# KiCad board panel-16.kicad_pcb (continued)
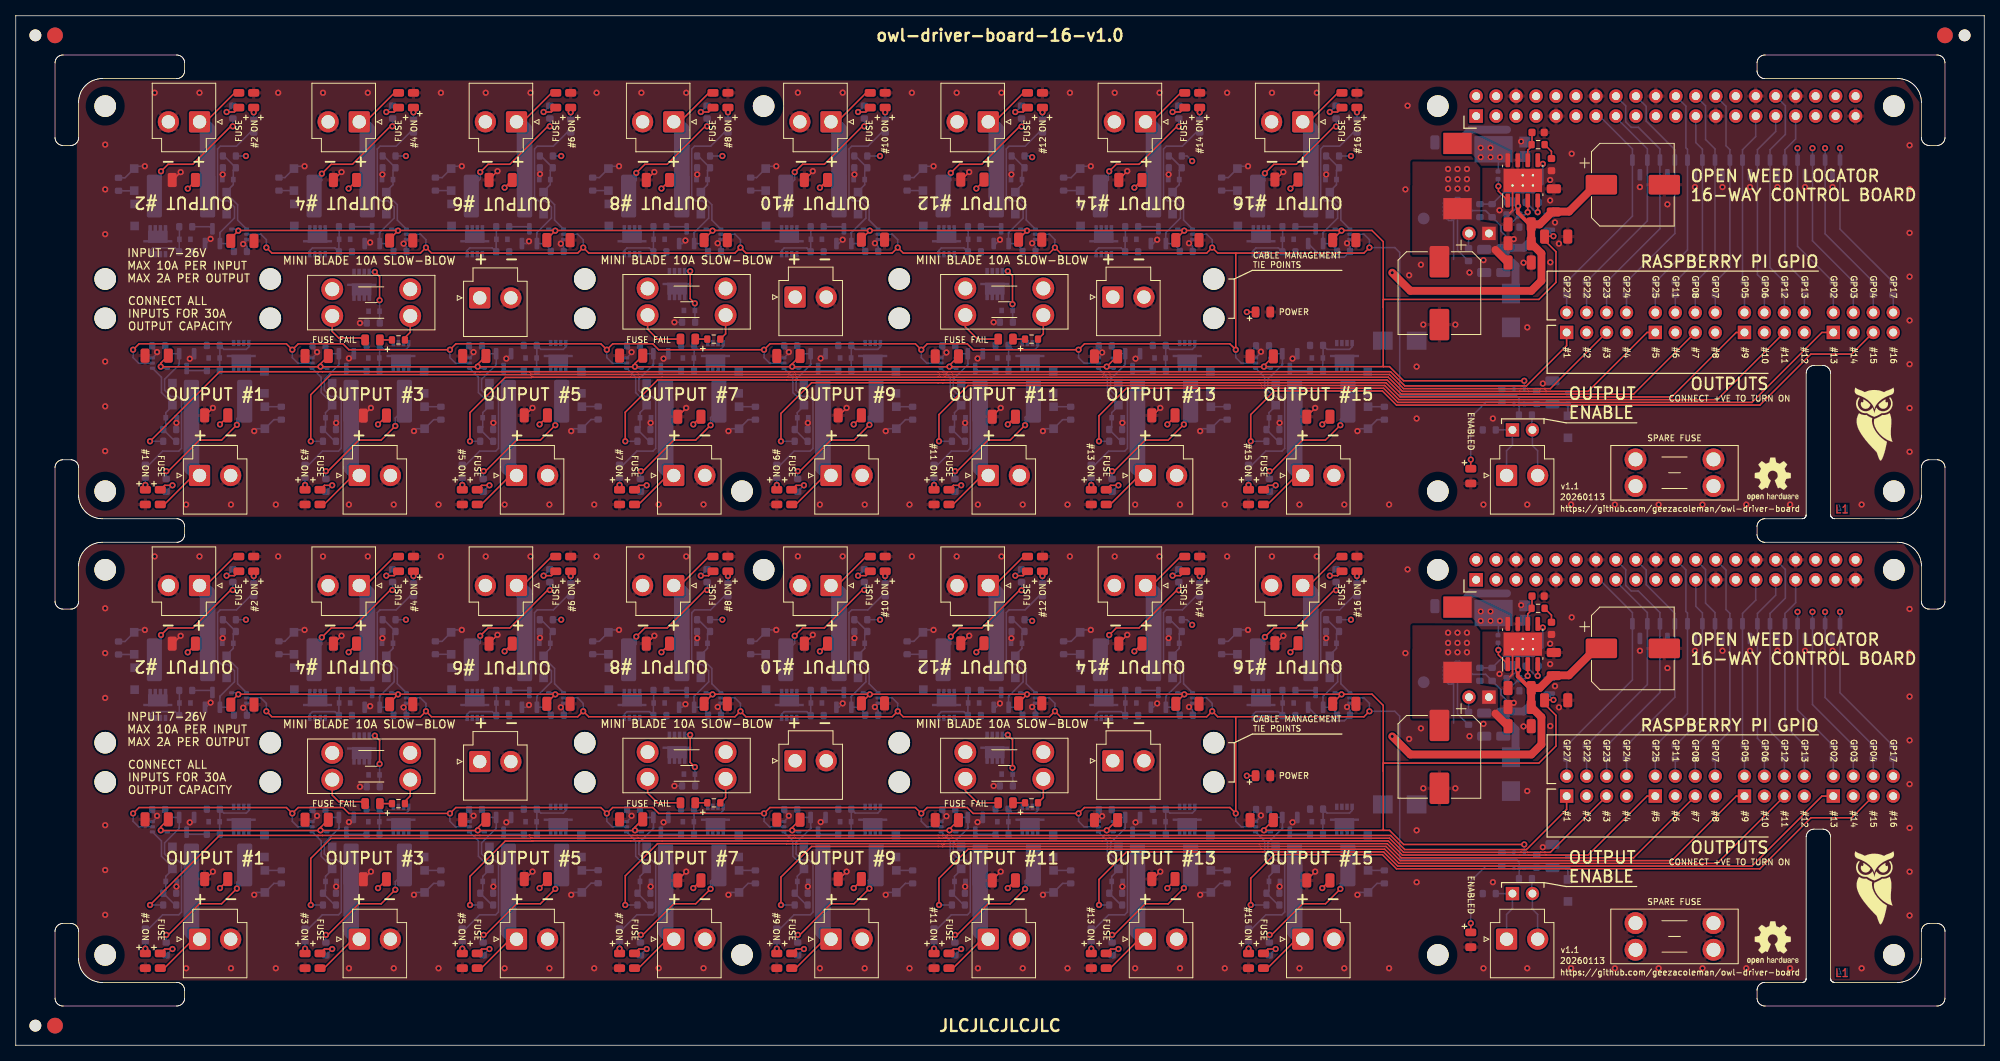
[diagram p0: board, top side]
## Nets (continued)
Board_0-Net-(D12-A): D12#2.2 D45#2.1 R9.1 R53#2.2 U5.1
Board_0-Net-(D13-A): D13#2.2 D46.1 R10#2.1 R54#2.2 U6.1
Board_0-Net-(D14-A): D14.2 D47.1 R13.1 R56.2 U7.1
Board_0-Net-(D19-A): D19.2 R17.1
Board_0-Net-(D20-A): D20#2.2 D48#2.1 R18#2.1 R57#2.2 U10#2.1
Board_0-Net-(D24-A): D24#2.2 R22.1
Board_0-Net-(D25-A): D25#2.2 D49.1 R50.1 R62.2 U11.1
Board_0-Net-(D29-A): D29.2 R58#2.1
Board_0-Net-(D30-A): D30.2 R59#2.1
Board_0-Net-(D31-A): D31.2 R60#2.1
Board_0-Net-(D32-A): D32#2.2 R24.1
Board_0-Net-(D32-K): D32#2.1 F18.2 Q34.2
Board_0-Net-(D33-A): D33#2.2 Q34.1 R25.2
Board_0-Net-(D37-A): D37.2 R61.1
Board_0-Net-(D38-A): D38.2 R23.1
Board_0-Net-(D41-A): D41#2.2 R55#2.1
Board_0-Net-(D42-A): D42#2.2 R63.1
Board_0-Net-(D43-A): D43#2.2 R65.1
Board_0-Net-(D44-A): D44#2.2 D50.1 R66.1 R67.2 U12.1
Board_0-Net-(D51-A): D51.2 R68#2.1
Board_0-Net-(D55-A): D55#2.2 R72#2.1
Board_0-Net-(D56-A): D56#2.2 D57#2.1 R73.1 R74.2 U13.1
Board_0-Net-(D58-A): D58#2.2 R75#2.1
Board_0-Net-(D62-A): D62#2.2 R79#2.1
Board_0-Net-(D63-A): D63#2.2 D64#2.1 R80#2.1 R81#2.2 U14.1
Board_0-Net-(D65-A): D65.2 R82.1
Board_0-Net-(D69-A): D69.2 R86#2.1
Board_0-Net-(D70-A): D70#2.2 D71#2.1 R87#2.1 R88.2 U15.1
Board_0-Net-(D72-A): D72#2.2 R89#2.1
Board_0-Net-(D76-A): D76#2.2 R93#2.1
Board_0-Net-(D77-A): D77.2 D78.1 R94#2.1 R95#2.2 U16.1
Board_0-Net-(D79-A): D79.2 R96.1
Board_0-Net-(D83-A): D83#2.2 R100#2.1
Board_0-Net-(D84-A): D84#2.2 D85.1 R101.1 R102.2 U17.1
Board_0-Net-(D86-A): D86#2.2 R103.1
Board_0-Net-(D90-A): D90#2.2 R107.1
Board_0-Net-(D91-A): D91#2.2 D92.1 R108.1 R109#2.2 U18#2.1
Board_0-Net-(D93-A): D93#2.2 R110.1
Board_0-Net-(D97-A): D97#2.2 R114#2.1
Board_0-Net-(D98-A): D98.2 D99#2.1 R115#2.1 R116.2 U19.1
Board_0-Net-(D100-A): D100#2.2 R117.1
Board_0-Net-(D104-A): D104#2.2 R121#2.1
Board_0-Net-(D105-A): D105#2.2 D106#2.1 R122.1 R123#2.2 U20.1
Board_0-Net-(D107-A): D107#2.2 R124.1
Board_0-Net-(D111-A): D111#2.2 R128#2.1
Board_0-Net-(D112-A): D112#2.2 D113#2.1 R129#2.1 R130#2.2 U21#2.1
Board_0-Net-(D114-A): D114#2.2 R131#2.1
Board_0-Net-(D118-A): D118.2 R135.1
Board_0-Net-(D119-A): D119#2.2 D120.1 R136#2.1 R137#2.2 U22.1
Board_0-Net-(D121-A): D121.2 R138.1
Board_0-Net-(D125-A): D125.2 R142.1
Board_0-Net-(D132-A): D132#2.2 R26.1
Board_0-Net-(D132-K): D132#2.1 F19.2 Q35#2.2
Board_0-Net-(D133-A): D133.2 Q35#2.1 R27.2
Board_0-Net-(J2-CE0): D127.1 J2.24 R33.1
Board_0-Net-(J2-CE1): D127.2 J2.26 R32.1
Board_0-Net-(J2-GP5): D131.1 J2.29 R146.1
Board_0-Net-(J2-GP6): D131.2 J2.31 R145#2.1
Board_0-Net-(J2-GP12): D130#2.1 J2.32 R144#2.1
Board_0-Net-(J2-GP13): D130#2.2 J2.33 R143.1
Board_0-Net-(J2-GP22): D34#2.2 J2.15 R29.1
Board_0-Net-(J2-GP23): D35#2.1 J2.16 R30.1
Board_0-Net-(J2-GP24): D35#2.2 J2.18 R31.1
Board_0-Net-(J2-GP25): D126#2.1 J2.22 R39#2.1
Board_0-Net-(J2-GP27): D34#2.1 J2.13 R38#2.1
Board_0-Net-(J2-SCLK): D126#2.2 J2.23 R34#2.1
Board_0-Net-(J3-Pin_1): F1#2.1 J3#2.1 R1#2.2
Board_0-Net-(J10-Pin_1): J10#2.1 J11.1 R48#2.2
Board_0-Net-(J10-Pin_2): J10#2.2 J11.2 R49#2.1
Board_0-Net-(J24-Pin_1): F18.1 J24#2.1 R24.2
Board_0-Net-(J26-Pin_1): F19.1 J26#2.1 R26.2
Board_0-Net-(Q4-D): Q4#2.3 R6#2.1
Board_0-Net-(Q4-G): Q4#2.1 R11.2 R58#2.2 U5.4
Board_0-Net-(Q5-D): Q5#2.3 R7#2.1
Board_0-Net-(Q5-G): Q5#2.1 R12#2.2 R59#2.2 U6.4
Board_0-Net-(Q6-D): Q6.3 R16#2.1
Board_0-Net-(Q6-G): Q6.1 R14.2 R60#2.2 U7.4
Board_0-Net-(Q8-D): Q8#2.3 R21.1
Board_0-Net-(Q8-G): Q8#2.1 R19#2.2 R61.2 U10#2.4
Board_0-Net-(Q10-D): Q10#2.3 R64#2.1
Board_0-Net-(Q10-G): Q10#2.1 R51#2.2 R63.2 U11.4
Board_0-Net-(Q12-D): Q12.3 R71#2.1
Board_0-Net-(Q12-G): Q12.1 R68#2.2 R69.2 U12.4
Board_0-Net-(Q14-D): Q14#2.3 R78#2.1
Board_0-Net-(Q14-G): Q14#2.1 R75#2.2 R76.2 U13.4
Board_0-Net-(Q16-D): Q16#2.3 R85.1
Board_0-Net-(Q16-G): Q16#2.1 R82.2 R83#2.2 U14.4
Board_0-Net-(Q18-D): Q18.3 R92.1
Board_0-Net-(Q18-G): Q18.1 R89#2.2 R90#2.2 U15.4
Board_0-Net-(Q20-D): Q20.3 R99#2.1
Board_0-Net-(Q20-G): Q20.1 R96.2 R97#2.2 U16.4
Board_0-Net-(Q22-D): Q22#2.3 R106#2.1
Board_0-Net-(Q22-G): Q22#2.1 R103.2 R104#2.2 U17.4
Board_0-Net-(Q24-D): Q24.3 R113#2.1
Board_0-Net-(Q24-G): Q24.1 R110.2 R111.2 U18#2.4
Board_0-Net-(Q26-D): Q26#2.3 R120#2.1
Board_0-Net-(Q26-G): Q26#2.1 R117.2 R118#2.2 U19.4
Board_0-Net-(Q28-D): Q28#2.3 R127.1
Board_0-Net-(Q28-G): Q28#2.1 R124.2 R125.2 U20.4
Board_0-Net-(Q30-D): Q30#2.3 R134#2.1
Board_0-Net-(Q30-G): Q30#2.1 R131#2.2 R132.2 U21#2.4
Board_0-Net-(Q32-D): Q32#2.3 R141#2.1
Board_0-Net-(Q32-G): Q32#2.1 R138.2 R139.2 U22.4
Board_0-Net-(R55-Pad2): R55#2.2 U8#2.4
Board_0-Net-(U3-EN): R46.1 U3.1
Board_0-PI1: J6.2 R38#2.2
Board_0-PI2: J6.4 R29.2
Board_0-PI3: J6.6 R30.2
Board_0-PI4: J6.8 R31.2
Board_0-PI5: J25.2 R39#2.2
Board_0-PI6: J25.4 R34#2.2
Board_0-PI7: J25.6 R33.2
Board_0-PI8: J25.8 R32.2
Board_0-PI9: J27#2.2 R146.2
Board_0-PI10: J27#2.4 R145#2.2
Board_0-PI11: J27#2.6 R144#2.2
Board_0-PI12: J27#2.8 R143.2
Board_0-PI13: J29.2 R40#2.2
Board_0-PI14: J29.4 R37#2.2
Board_0-PI15: J29.6 R36#2.2
Board_0-PI16: J29.8 R35#2.2
Board_0-PI_5V0: C10.1 J2.2 J2.4 TP1#2.1 U3.6
Board_0-unconnected-(J2-3.3V-Pad1): J2.1
Board_0-unconnected-(J2-3.3V-Pad17): J2.17
Board_0-unconnected-(J2-GP16-Pad36): J2.36
Board_0-unconnected-(J2-GP18#-Pad12): J2.12
Board_0-unconnected-(J2-GP19-Pad35): J2.35
Board_0-unconnected-(J2-GP20-Pad38): J2.38
Board_0-unconnected-(J2-GP21-Pad40): J2.40
Board_0-unconnected-(J2-GP26-Pad37): J2.37
Board_0-unconnected-(J2-ID_SC-Pad28): J2.28
Board_0-unconnected-(J2-ID_SD-Pad27): J2.27
Board_0-unconnected-(J2-MISO-Pad21): J2.21
Board_0-unconnected-(J2-MOSI-Pad19): J2.19
Board_0-unconnected-(J2-RXI-Pad10): J2.10
Board_0-unconnected-(J2-TXO-Pad8): J2.8
Board_0-unconnected-(U3-DNC-Pad10): U3.10
Board_0-unconnected-(U3-DVDT-Pad7): U3.7
Board_0-unconnected-(U3-PG-Pad3): U3.3
Board_0-VCC: C1.1 C2.1 C3#2.1 C4.1 C5.1 C6.1 C7#2.1 C8.1 C11.1 C12#2.1 C15#2.1 C16#2.1 C18#2.1 C19.1 C21#2.1 C26.1 C27#2.1 C28#2.1 C46#2.1 C47.1 C48.1 D2#2.1 D3.1 D6.1 D7#2.1 D8.1 D9.1 D12#2.1 D13#2.1 D14.1 D15.1 D17#2.1 D20#2.1 D21#2.1 D22#2.1 D25#2.1 D26#2.1 D27#2.1 D33#2.1 D40#2.1 D44#2.1 D52.1 D53.1 D56#2.1 D59.1 D60.1 D63#2.1 D66#2.1 D67#2.1 D70#2.1 D73#2.1 D74.1 D77.1 D80#2.1 D81#2.1 D84#2.1 D87#2.1 D88#2.1 D91#2.1 D94#2.1 D95.1 D98.1 D101.1 D102#2.1 D105#2.1 D108.1 D109#2.1 D112#2.1 D115.1 D116#2.1 D119#2.1 D122#2.1 D123#2.1 D133.1 Q1#2.3 Q2#2.3 Q3#2.3 Q7.3 Q9#2.3 Q11#2.3 Q13#2.3 Q15.3 Q17.3 Q19.3 Q21.3 Q23.3 Q25.3 Q27#2.3 Q29.3 Q31#2.3 Q33.3 Q34.3 Q35#2.3 R2#2.2 R3.2 R15.2 R20#2.2 R23.2 R41.2 R48#2.1 R52.2 R70.2 R77#2.2 R84.2 R91.2 R98#2.2 R105.2 R112.2 R119.2 R126#2.2 R133#2.2 R140.2 U1#2.2
Board_1-+3V3: C29.1 C30.1 C31#2.1 C32.1 C33#2.1 C34.1 C35.1 C36.1 C37#2.1 C38.1 C39.1 C40#2.1 C41.1 C42#2.1 C43.1 C44.1 C45#2.1 U5#2.5 U6#2.5 U7#2.5 U8.5 U9.2 U10.5 U11#2.5 U12#2.5 U13#2.5 U14#2.5 U15#2.5 U16#2.5 U17#2.5 U18.5 U19#2.5 U20#2.5 U21.5 U22#2.5
Board_1-+5V: C9.1 C13.1 C14#2.1 C20#2.1 D16.1 J9.1 L1.2 R42.2 U9.3
Board_1-/BOOT: C17.1 U1.1
Board_1-/COMP: C22.1 R44.1 U1.6
Board_1-/EN: R41#2.1 R43#2.2 U1.3
Board_1-/Output chain 1/DRAIN: D8#2.2 D10.1 F2.1 Q2.2 R4.2 R154#2.2
Board_1-/Output chain 1/GATE: D2.2 Q2.1 R2.1 R6.2
Board_1-/Output chain 1/OUTPUT+: D4#2.1 F2.2 J4.1
Board_1-/Output chain 2/DRAIN: D9#2.2 D11#2.1 F3.1 Q3.2 R5.2 R155.2
Board_1-/Output chain 2/GATE: D3#2.2 Q3.1 R3#2.1 R7.2
Board_1-/Output chain 2/OUTPUT+: D5#2.1 F3.2 J5.1
Board_1-/Output chain 3/DRAIN: D17.2 D18#2.1 F4#2.1 Q7#2.2 R17#2.2 R156.2
Board_1-/Output chain 3/GATE: D15#2.2 Q7#2.1 R15#2.1 R16.2
Board_1-/Output chain 3/OUTPUT+: D19#2.1 F4#2.2 J7.1
Board_1-/Output chain 4/DRAIN: D22.2 D23.1 F5#2.1 Q9.2 R22#2.2 R157.2
Board_1-/Output chain 4/GATE: D21.2 Q9.1 R20.1 R21#2.2
Board_1-/Output chain 4/OUTPUT+: D24.1 F5#2.2 J8#2.1
Board_1-/Output chain 5/DRAIN: D27.2 D28#2.1 F6#2.1 Q11.2 R65#2.2 R158#2.2
Board_1-/Output chain 5/GATE: D26.2 Q11.1 R52#2.1 R64.2
Board_1-/Output chain 5/OUTPUT+: D43.1 F6#2.2 J12.1
Board_1-/Output chain 6/DRAIN: D53#2.2 D54#2.1 F7#2.1 Q13.2 R72.2 R159.2
Board_1-/Output chain 6/GATE: D52#2.2 Q13.1 R70#2.1 R71.2
Board_1-/Output chain 6/OUTPUT+: D55.1 F7#2.2 J13.1
Board_1-/Output chain 7/DRAIN: D60#2.2 D61.1 F8.1 Q15#2.2 R79.2 R160#2.2
Board_1-/Output chain 7/GATE: D59#2.2 Q15#2.1 R77.1 R78.2
Board_1-/Output chain 7/OUTPUT+: D62.1 F8.2 J14#2.1
Board_1-/Output chain 8/DRAIN: D67.2 D68.1 F9.1 Q17#2.2 R86.2 R161#2.2
Board_1-/Output chain 8/GATE: D66.2 Q17#2.1 R84#2.1 R85#2.2
Board_1-/Output chain 8/OUTPUT+: D69#2.1 F9.2 J15.1
Board_1-/Output chain 9/DRAIN: D74#2.2 D75.1 F10.1 Q19#2.2 R93.2 R162#2.2
Board_1-/Output chain 9/GATE: D73.2 Q19#2.1 R91#2.1 R92#2.2
Board_1-/Output chain 9/OUTPUT+: D76.1 F10.2 J16#2.1
Board_1-/Output chain 10/DRAIN: D81.2 D82.1 F11#2.1 Q21#2.2 R100.2 R163.2
Board_1-/Output chain 10/GATE: D80.2 Q21#2.1 R98.1 R99.2
Board_1-/Output chain 10/OUTPUT+: D83.1 F11#2.2 J17#2.1
Board_1-/Output chain 11/DRAIN: D88.2 D89#2.1 F12.1 Q23#2.2 R107#2.2 R164#2.2
Board_1-/Output chain 11/GATE: D87.2 Q23#2.1 R105#2.1 R106.2
Board_1-/Output chain 11/OUTPUT+: D90.1 F12.2 J18#2.1
Board_1-/Output chain 12/DRAIN: D95#2.2 D96.1 F13#2.1 Q25#2.2 R114.2 R165#2.2
Board_1-/Output chain 12/GATE: D94.2 Q25#2.1 R112#2.1 R113.2
Board_1-/Output chain 12/OUTPUT+: D97.1 F13#2.2 J19.1
Board_1-/Output chain 13/DRAIN: D102.2 D103#2.1 F14#2.1 Q27.2 R121.2 R166#2.2
Board_1-/Output chain 13/GATE: D101#2.2 Q27.1 R119#2.1 R120.2
Board_1-/Output chain 13/OUTPUT+: D104.1 F14#2.2 J20#2.1
Board_1-/Output chain 14/DRAIN: D109.2 D110.1 F15#2.1 Q29#2.2 R128.2 R167#2.2
Board_1-/Output chain 14/GATE: D108#2.2 Q29#2.1 R126.1 R127#2.2
Board_1-/Output chain 14/OUTPUT+: D111.1 F15#2.2 J21#2.1
Board_1-/Output chain 15/DRAIN: D116.2 D117.1 F16#2.1 Q31.2 R135#2.2 R168#2.2
Board_1-/Output chain 15/GATE: D115#2.2 Q31.1 R133.1 R134.2
Board_1-/Output chain 15/OUTPUT+: D118#2.1 F16#2.2 J22#2.1
Board_1-/Output chain 16/DRAIN: D123.2 D124.1 F17#2.1 Q33#2.2 R142#2.2 R169.2
Board_1-/Output chain 16/GATE: D122.2 Q33#2.1 R140#2.1 R141.2
Board_1-/Output chain 16/OUTPUT+: D125#2.1 F17#2.2 J23.1
Board_1-/PI13_GPIO: D128#2.1 J2#2.3 R40.1
Board_1-/PI14_GPIO: D128#2.2 J2#2.5 R37.1
Board_1-/PI15_GPIO: D129#2.1 J2#2.7 R36.1
Board_1-/PI16_GPIO: D129#2.2 J2#2.11 R35.1
Board_1-/PI_5V0_P: J9.2 R46#2.2 U3#2.5
Board_1-/SS: C24#2.1 U1.4
Board_1-/SW: C17.2 D36#2.1 L1.1 U1.8
Board_1-/VSENSE: R42.1 R45.2 U1.5
Board_1-ENABLE: C25.1 D39.1 D40.2 R47.1 R49.2 U5#2.2 U6#2.2 U7#2.2 U8.1 U8.2 U10.2 U11#2.2 U12#2.2 U13#2.2 U14#2.2 U15#2.2 U16#2.2 U17#2.2 U18.2 U19#2.2 U20#2.2 U21.2 U22#2.2
Board_1-GND: C1#2.2 C2#2.2 C3.2 C4#2.2 C5#2.2 C6#2.2 C7.2 C8#2.2 C9.2 C10#2.2 C11#2.2 C12.2 C13.2 C14#2.2 C15.2 C16.2 C18.2 C19#2.2 C20#2.2 C21.2 C22.2 C23.2 C24#2.2 C25.2 C26#2.2 C27.2 C28.2 C29.2 C30.2 C31#2.2 C32.2 C33#2.2 C34.2 C35.2 C36.2 C37#2.2 C38.2 C39.2 C40#2.2 C41.2 C42#2.2 C43.2 C44.2 C45#2.2 C46.2 C47#2.2 C48#2.2 D7.2 D10.2 D11#2.2 D16.2 D18#2.2 D23.2 D28#2.2 D29#2.1 D30#2.1 D31#2.1 D34.3 D35.3 D36#2.2 D37#2.1 D38#2.1 D39.2 D41.1 D42.1 D45.2 D46#2.2 D47#2.2 D48.2 D49#2.2 D50#2.2 D51#2.1 D54#2.2 D57.2 D58.1 D61.2 D64.2 D65#2.1 D68.2 D71.2 D72.1 D75.2 D78#2.2 D79#2.1 D82.2 D85#2.2 D86.1 D89#2.2 D92#2.2 D93.1 D96.2 D99.2 D100.1 D103#2.2 D106.2 D107.1 D110.2 D113.2 D114.1 D117.2 D120#2.2 D121#2.1 D124.2 D126.3 D127#2.3 D128#2.3 D129#2.3 D130.3 D131#2.3 F20.1 F20.2 J2#2.6 J2#2.9 J2#2.14 J2#2.20 J2#2.25 J2#2.30 J2#2.34 J2#2.39 J3.2 J4.2 J5.2 J7.2 J8#2.2 J12.2 J13.2 J14#2.2 J15.2 J16#2.2 J17#2.2 J18#2.2 J19.2 J20#2.2 J21#2.2 J22#2.2 J23.2 J24.2 J26.2 Q4.2 Q5.2 Q6#2.2 Q8.2 Q10.2 Q12#2.2 Q14.2 Q16.2 Q18#2.2 Q20#2.2 Q22.2 Q24#2.2 Q26.2 Q28.2 Q30.2 Q32.2 R8.1 R11#2.1 R12.1 R14#2.1 R19.1 R25#2.1 R27#2.1 R43#2.1 R45.1 R47.2 R51.1 R53.1 R54.1 R56#2.1 R57.1 R62#2.1 R67#2.1 R69#2.1 R74#2.1 R76#2.1 R81.1 R83.1 R88#2.1 R90.1 R95.1 R97.1 R102#2.1 R104.1 R109.1 R111#2.1 R116#2.1 R118.1 R123.1 R125#2.1 R130.1 R132#2.1 R137.1 R139#2.1 R154#2.1 R155.1 R156.1 R157.1 R158#2.1 R159.1 R160#2.1 R161#2.1 R162#2.1 R163.1 R164#2.1 R165#2.1 R166#2.1 R167#2.1 R168#2.1 R169.1 U1.7 U1.9 U3#2.2 U3#2.4 U3#2.8 U3#2.9 U5#2.3 U6#2.3 U7#2.3 U8.3 U9.1 U10.3 U11#2.3 U12#2.3 U13#2.3 U14#2.3 U15#2.3 U16#2.3 U17#2.3 U18.3 U19#2.3 U20#2.3 U21.3 U22#2.3
Board_1-MOSFET1: J6#2.1 R9#2.2
Board_1-MOSFET2: J6#2.3 R10.2
Board_1-MOSFET3: J6#2.5 R13#2.2
Board_1-MOSFET4: J6#2.7 R18.2
Board_1-MOSFET5: J25#2.1 R50#2.2
Board_1-MOSFET6: J25#2.3 R66#2.2
Board_1-MOSFET7: J25#2.5 R73#2.2
Board_1-MOSFET8: J25#2.7 R80.2
Board_1-MOSFET9: J27.1 R87.2
Board_1-MOSFET10: J27.3 R94.2
Board_1-MOSFET11: J27.5 R101#2.2
Board_1-MOSFET12: J27.7 R108#2.2
Board_1-MOSFET13: J29#2.1 R115.2
Board_1-MOSFET14: J29#2.3 R122#2.2
Board_1-MOSFET15: J29#2.5 R129.2
Board_1-MOSFET16: J29#2.7 R136.2
Board_1-Net-(C23-Pad1): C23.1 R44.2
Board_1-Net-(D1-A): D1.2 R1.1
Board_1-Net-(D1-K): D1.1 F1.2 Q1.2
Board_1-Net-(D4-A): D4#2.2 R4.1
Board_1-Net-(D5-A): D5#2.2 R5.1
Board_1-Net-(D6-A): D6#2.2 Q1.1 R8.2
Board_1-Net-(D12-A): D12.2 D45.1 R9#2.1 R53.2 U5#2.1
Board_1-Net-(D13-A): D13.2 D46#2.1 R10.1 R54.2 U6#2.1
Board_1-Net-(D14-A): D14#2.2 D47#2.1 R13#2.1 R56#2.2 U7#2.1
Board_1-Net-(D19-A): D19#2.2 R17#2.1
Board_1-Net-(D20-A): D20.2 D48.1 R18.1 R57.2 U10.1
Board_1-Net-(D24-A): D24.2 R22#2.1
Board_1-Net-(D25-A): D25.2 D49#2.1 R50#2.1 R62#2.2 U11#2.1
Board_1-Net-(D29-A): D29#2.2 R58.1
Board_1-Net-(D30-A): D30#2.2 R59.1
Board_1-Net-(D31-A): D31#2.2 R60.1
Board_1-Net-(D32-A): D32.2 R24#2.1
Board_1-Net-(D32-K): D32.1 F18#2.2 Q34#2.2
Board_1-Net-(D33-A): D33.2 Q34#2.1 R25#2.2
Board_1-Net-(D37-A): D37#2.2 R61#2.1
Board_1-Net-(D38-A): D38#2.2 R23#2.1
Board_1-Net-(D41-A): D41.2 R55.1
Board_1-Net-(D42-A): D42.2 R63#2.1
Board_1-Net-(D43-A): D43.2 R65#2.1
Board_1-Net-(D44-A): D44.2 D50#2.1 R66#2.1 R67#2.2 U12#2.1
Board_1-Net-(D51-A): D51#2.2 R68.1
Board_1-Net-(D55-A): D55.2 R72.1
Board_1-Net-(D56-A): D56.2 D57.1 R73#2.1 R74#2.2 U13#2.1
Board_1-Net-(D58-A): D58.2 R75.1
Board_1-Net-(D62-A): D62.2 R79.1
Board_1-Net-(D63-A): D63.2 D64.1 R80.1 R81.2 U14#2.1
Board_1-Net-(D65-A): D65#2.2 R82#2.1
Board_1-Net-(D69-A): D69#2.2 R86.1
Board_1-Net-(D70-A): D70.2 D71.1 R87.1 R88#2.2 U15#2.1
Board_1-Net-(D72-A): D72.2 R89.1
Board_1-Net-(D76-A): D76.2 R93.1
Board_1-Net-(D77-A): D77#2.2 D78#2.1 R94.1 R95.2 U16#2.1
Board_1-Net-(D79-A): D79#2.2 R96#2.1
Board_1-Net-(D83-A): D83.2 R100.1
Board_1-Net-(D84-A): D84.2 D85#2.1 R101#2.1 R102#2.2 U17#2.1
Board_1-Net-(D86-A): D86.2 R103#2.1
Board_1-Net-(D90-A): D90.2 R107#2.1
Board_1-Net-(D91-A): D91.2 D92#2.1 R108#2.1 R109.2 U18.1
Board_1-Net-(D93-A): D93.2 R110#2.1
Board_1-Net-(D97-A): D97.2 R114.1
Board_1-Net-(D98-A): D98#2.2 D99.1 R115.1 R116#2.2 U19#2.1
Board_1-Net-(D100-A): D100.2 R117#2.1
Board_1-Net-(D104-A): D104.2 R121.1
Board_1-Net-(D105-A): D105.2 D106.1 R122#2.1 R123.2 U20#2.1
Board_1-Net-(D107-A): D107.2 R124#2.1
Board_1-Net-(D111-A): D111.2 R128.1
Board_1-Net-(D112-A): D112.2 D113.1 R129.1 R130.2 U21.1
Board_1-Net-(D114-A): D114.2 R131.1
Board_1-Net-(D118-A): D118#2.2 R135#2.1
Board_1-Net-(D119-A): D119.2 D120#2.1 R136.1 R137.2 U22#2.1
Board_1-Net-(D121-A): D121#2.2 R138#2.1
Board_1-Net-(D125-A): D125#2.2 R142#2.1
Board_1-Net-(D132-A): D132.2 R26#2.1
Board_1-Net-(D132-K): D132.1 F19#2.2 Q35.2
Board_1-Net-(D133-A): D133#2.2 Q35.1 R27#2.2
Board_1-Net-(J2-CE0): D127#2.1 J2#2.24 R33#2.1
Board_1-Net-(J2-CE1): D127#2.2 J2#2.26 R32#2.1
Board_1-Net-(J2-GP5): D131#2.1 J2#2.29 R146#2.1
Board_1-Net-(J2-GP6): D131#2.2 J2#2.31 R145.1
Board_1-Net-(J2-GP12): D130.1 J2#2.32 R144.1
Board_1-Net-(J2-GP13): D130.2 J2#2.33 R143#2.1
Board_1-Net-(J2-GP22): D34.2 J2#2.15 R29#2.1
Board_1-Net-(J2-GP23): D35.1 J2#2.16 R30#2.1
Board_1-Net-(J2-GP24): D35.2 J2#2.18 R31#2.1
Board_1-Net-(J2-GP25): D126.1 J2#2.22 R39.1
Board_1-Net-(J2-GP27): D34.1 J2#2.13 R38.1
Board_1-Net-(J2-SCLK): D126.2 J2#2.23 R34.1
Board_1-Net-(J3-Pin_1): F1.1 J3.1 R1.2
Board_1-Net-(J10-Pin_1): J10.1 J11#2.1 R48.2
Board_1-Net-(J10-Pin_2): J10.2 J11#2.2 R49.1
Board_1-Net-(J24-Pin_1): F18#2.1 J24.1 R24#2.2
Board_1-Net-(J26-Pin_1): F19#2.1 J26.1 R26#2.2
Board_1-Net-(Q4-D): Q4.3 R6.1
Board_1-Net-(Q4-G): Q4.1 R11#2.2 R58.2 U5#2.4
Board_1-Net-(Q5-D): Q5.3 R7.1
Board_1-Net-(Q5-G): Q5.1 R12.2 R59.2 U6#2.4
Board_1-Net-(Q6-D): Q6#2.3 R16.1
Board_1-Net-(Q6-G): Q6#2.1 R14#2.2 R60.2 U7#2.4
Board_1-Net-(Q8-D): Q8.3 R21#2.1
Board_1-Net-(Q8-G): Q8.1 R19.2 R61#2.2 U10.4
Board_1-Net-(Q10-D): Q10.3 R64.1
Board_1-Net-(Q10-G): Q10.1 R51.2 R63#2.2 U11#2.4
Board_1-Net-(Q12-D): Q12#2.3 R71.1
Board_1-Net-(Q12-G): Q12#2.1 R68.2 R69#2.2 U12#2.4
Board_1-Net-(Q14-D): Q14.3 R78.1
Board_1-Net-(Q14-G): Q14.1 R75.2 R76#2.2 U13#2.4
Board_1-Net-(Q16-D): Q16.3 R85#2.1
Board_1-Net-(Q16-G): Q16.1 R82#2.2 R83.2 U14#2.4
Board_1-Net-(Q18-D): Q18#2.3 R92#2.1
Board_1-Net-(Q18-G): Q18#2.1 R89.2 R90.2 U15#2.4
Board_1-Net-(Q20-D): Q20#2.3 R99.1
Board_1-Net-(Q20-G): Q20#2.1 R96#2.2 R97.2 U16#2.4
Board_1-Net-(Q22-D): Q22.3 R106.1
Board_1-Net-(Q22-G): Q22.1 R103#2.2 R104.2 U17#2.4
Board_1-Net-(Q24-D): Q24#2.3 R113.1
Board_1-Net-(Q24-G): Q24#2.1 R110#2.2 R111#2.2 U18.4
Board_1-Net-(Q26-D): Q26.3 R120.1
Board_1-Net-(Q26-G): Q26.1 R117#2.2 R118.2 U19#2.4
Board_1-Net-(Q28-D): Q28.3 R127#2.1
Board_1-Net-(Q28-G): Q28.1 R124#2.2 R125#2.2 U20#2.4
Board_1-Net-(Q30-D): Q30.3 R134.1
Board_1-Net-(Q30-G): Q30.1 R131.2 R132#2.2 U21.4
Board_1-Net-(Q32-D): Q32.3 R141.1
Board_1-Net-(Q32-G): Q32.1 R138#2.2 R139#2.2 U22#2.4
Board_1-Net-(R55-Pad2): R55.2 U8.4
Board_1-Net-(U3-EN): R46#2.1 U3#2.1
Board_1-PI1: J6#2.2 R38.2
Board_1-PI2: J6#2.4 R29#2.2
Board_1-PI3: J6#2.6 R30#2.2
Board_1-PI4: J6#2.8 R31#2.2
Board_1-PI5: J25#2.2 R39.2
Board_1-PI6: J25#2.4 R34.2
Board_1-PI7: J25#2.6 R33#2.2
Board_1-PI8: J25#2.8 R32#2.2
Board_1-PI9: J27.2 R146#2.2
Board_1-PI10: J27.4 R145.2
Board_1-PI11: J27.6 R144.2
Board_1-PI12: J27.8 R143#2.2
Board_1-PI13: J29#2.2 R40.2
Board_1-PI14: J29#2.4 R37.2
Board_1-PI15: J29#2.6 R36.2
Board_1-PI16: J29#2.8 R35.2
Board_1-PI_5V0: C10#2.1 J2#2.2 J2#2.4 TP1.1 U3#2.6
Board_1-unconnected-(J2-3.3V-Pad1): J2#2.1
Board_1-unconnected-(J2-3.3V-Pad17): J2#2.17
Board_1-unconnected-(J2-GP16-Pad36): J2#2.36
Board_1-unconnected-(J2-GP18#-Pad12): J2#2.12
Board_1-unconnected-(J2-GP19-Pad35): J2#2.35
Board_1-unconnected-(J2-GP20-Pad38): J2#2.38
Board_1-unconnected-(J2-GP21-Pad40): J2#2.40
Board_1-unconnected-(J2-GP26-Pad37): J2#2.37
Board_1-unconnected-(J2-ID_SC-Pad28): J2#2.28
Board_1-unconnected-(J2-ID_SD-Pad27): J2#2.27
Board_1-unconnected-(J2-MISO-Pad21): J2#2.21
Board_1-unconnected-(J2-MOSI-Pad19): J2#2.19
Board_1-unconnected-(J2-RXI-Pad10): J2#2.10
Board_1-unconnected-(J2-TXO-Pad8): J2#2.8
Board_1-unconnected-(U3-DNC-Pad10): U3#2.10
Board_1-unconnected-(U3-DVDT-Pad7): U3#2.7
Board_1-unconnected-(U3-PG-Pad3): U3#2.3
Board_1-VCC: C1#2.1 C2#2.1 C3.1 C4#2.1 C5#2.1 C6#2.1 C7.1 C8#2.1 C11#2.1 C12.1 C15.1 C16.1 C18.1 C19#2.1 C21.1 C26#2.1 C27.1 C28.1 C46.1 C47#2.1 C48#2.1 D2.1 D3#2.1 D6#2.1 D7.1 D8#2.1 D9#2.1 D12.1 D13.1 D14#2.1 D15#2.1 D17.1 D20.1 D21.1 D22.1 D25.1 D26.1 D27.1 D33.1 D40.1 D44.1 D52#2.1 D53#2.1 D56.1 D59#2.1 D60#2.1 D63.1 D66.1 D67.1 D70.1 D73.1 D74#2.1 D77#2.1 D80.1 D81.1 D84.1 D87.1 D88.1 D91.1 D94.1 D95#2.1 D98#2.1 D101#2.1 D102.1 D105.1 D108#2.1 D109.1 D112.1 D115#2.1 D116.1 D119.1 D122.1 D123.1 D133#2.1 Q1.3 Q2.3 Q3.3 Q7#2.3 Q9.3 Q11.3 Q13.3 Q15#2.3 Q17#2.3 Q19#2.3 Q21#2.3 Q23#2.3 Q25#2.3 Q27.3 Q29#2.3 Q31.3 Q33#2.3 Q34#2.3 Q35.3 R2.2 R3#2.2 R15#2.2 R20.2 R23#2.2 R41#2.2 R48.1 R52#2.2 R70#2.2 R77.2 R84#2.2 R91#2.2 R98.2 R105#2.2 R112#2.2 R119#2.2 R126.2 R133.2 R140#2.2 U1.2

## Via types
v1: diameter 0.8, hole 0.4, Top to Bottom, 686 vias

## Routing (per net, layer and track width the routed paths; a pad name or vN(x,y) marks a point on that pad's centre or on a via; arc(x,y) is an arc through that point)
Board_0-+3V3: length 412.5
  Top w0.2: v1(118.76,86.35) 118.79,86.32 138.73,86.32 v1(138.76,86.35) ; v1(118.76,86.35) 118.76,86.51 C40.1 ; v1(118.76,86.35) 118.73,86.32 98.79,86.32 v1(98.76,86.35) ; v1(38.76,86.35) 38.79,86.32 58.73,86.32 v1(58.76,86.35) ; v1(38.76,86.35) 38.76,86.71 C32#2.1 ; v1(38.76,86.35) 38.73,86.32 18.47,86.32 v1(18.45,86.35) 18.45,86.79 C29#2.1 ; C31.1 27.35,102.69 v1(28.31,103.65) 28.34,103.68 48.6,103.68 v1(48.63,103.65) ; v1(138.76,86.35) 140.06,87.65 C42.1 ; v1(138.76,86.35) 138.79,86.32 158.73,86.32 v1(158.76,86.35) ; v1(68.63,103.65) 67.55,102.58 C35#2.1 ; v1(68.63,103.65) 68.65,103.68 88.6,103.68 v1(88.63,103.65) ; v1(68.63,103.65) 68.6,103.68 48.65,103.68 v1(48.63,103.65) ; v1(48.63,103.65) 47.55,102.58 C33.1 ; v1(88.63,103.65) 87.55,102.58 C37.1 ; v1(88.63,103.65) 88.65,103.68 108.6,103.68 v1(108.63,103.65) ; C41#2.1 127.55,102.58 v1(128.63,103.65) ; 173.93,93.9 173.93,94.9 193.73,94.9 195.9,97.08 195.9,100.98 194.45,102.43 C30#2.1 194.5,102.95 v1(195.58,102.95) ; 173.93,93.9 173.93,102.25 172.5,103.68 168.65,103.68 v1(168.63,103.65) ; 173.93,93.9 173.93,86.4 173.98,86.35 ; v1(158.76,86.35) 173.98,86.35 ; v1(158.76,86.35) 158.76,86.46 C44#2.1 ; 173.98,86.35 174.73,86.35 176.53,84.55 v1(191.87,84.55) ; v1(58.76,86.35) 58.79,86.32 78.73,86.32 v1(78.76,86.35) ; v1(58.76,86.35) 58.76,86.66 C34#2.1 ; v1(148.63,103.65) 148.6,103.68 128.65,103.68 v1(128.63,103.65) ; v1(148.63,103.65) 147.55,102.58 C43#2.1 ; v1(148.63,103.65) 148.65,103.68 168.6,103.68 v1(168.63,103.65) ; C38#2.1 98.76,86.71 v1(98.76,86.35) ; v1(98.76,86.35) 98.73,86.32 78.79,86.32 v1(78.76,86.35) ; v1(168.63,103.65) 167.5,102.53 C45.1 ; v1(128.63,103.65) 128.6,103.68 108.65,103.68 v1(108.63,103.65) ; v1(108.63,103.65) 107.55,102.58 C39#2.1 ; v1(78.76,86.35) 78.76,86.76 C36#2.1
  Bottom w0.2: U17.5 118.96,86.15 v1(118.76,86.35) ; U18#2.5 128.43,103.85 v1(128.63,103.65) ; v1(108.63,103.65) 108.43,103.85 U16.5 ; v1(48.63,103.65) 48.43,103.85 U10#2.5 ; U5.5 18.65,86.15 v1(18.45,86.35) ; v1(88.63,103.65) 88.43,103.85 U14.5 ; U21#2.5 158.96,86.15 v1(158.76,86.35) ; U6.5 28.11,103.85 v1(28.31,103.65) ; v1(191.87,84.55) U8#2.5 ; U9#2.2 195.05,103.48 v1(195.58,102.95) ; v1(38.76,86.35) 38.96,86.15 U7.5 ; v1(148.63,103.65) 148.43,103.85 U20.5 ; v1(98.76,86.35) 98.96,86.15 U15.5 ; U11.5 58.96,86.15 v1(58.76,86.35) ; U22.5 168.43,103.85 v1(168.63,103.65) ; U13.5 78.96,86.15 v1(78.76,86.35) ; v1(138.76,86.35) 138.96,86.15 U19.5 ; v1(68.63,103.65) 68.43,103.85 U12.5
Board_0-+5V: length 15.6
  Top w1: C14.1 188.2,101.2
  Bottom w0.2: 192.38,102.04 192.38,103.9 U9#2.3
  Bottom w1: 192.38,102.04 191.82,101.48 188.78,101.48 ; C9#2.1 189.2,100.74 190.75,99.19 190.75,96.23 D16#2.1
  vias: v1(182.18,111.5) v1(182.18,110.2) v1(182.18,109) v1(183.38,111.5) v1(183.38,110.2) v1(183.38,109) v1(184.58,111.5) v1(184.58,110.2) v1(184.58,109)
Board_0-/BOOT: length 3.2
  Top w0.2: v1(188.58,109.3) 188.58,108.68 U1#2.1
  Bottom w0.2: C17#2.1 188.58,110.17 v1(188.58,109.3)
Board_0-/COMP: length 3.5
  Top w0.2: U1#2.6 192.31,113.89 192.78,114.35 ; C22#2.1 192.85,114.65 R44#2.1
Board_0-/EN: length 5.2
  Top w0.2: U1#2.3 192.31,105.71
  Bottom w0.2: 189.7,104.1 R41.1 191.95,105.65 v1(192.3,106)
Board_0-/Output chain 1/DRAIN: length 15.8
  Top w0.2: v1(28.13,78.95) 26.18,77 23.35,77 19.41,73.05 v1(19.16,73.05)
  Bottom w0.2: 28.47,80.09 28.13,79.75 v1(28.13,78.95) ; 19.13,72.08 19.13,73.02 v1(19.16,73.05) ; R154.2 D10#2.1
Board_0-/Output chain 1/GATE: length 7.4
  Bottom w0.2: 29.66,89.1 29.66,88.88 29.34,88.55 26.46,88.55 R2#2.1 ; 25.96,87.35 25.96,88.95 ; 25.94,85.75 25.94,87.33
Board_0-/Output chain 1/OUTPUT+: length 14.7
  Top w0.2: 18.9,68.81 22.34,72.25
  Bottom w2: F2#2.2 22.35,73.53 J4#2.1
Board_0-/Output chain 2/DRAIN: length 15.6
  Top w0.2: v1(27.6,116.93) 27.35,116.93 22.53,112.1 19.38,112.1 v1(18.48,111.2)
  Bottom w0.2: R155#2.2 15.05,108.73 D11.1 ; v1(27.6,116.93) 27.63,116.95 27.63,117.9 ; v1(18.48,111.2) 18.48,110.1
Board_0-/Output chain 2/GATE: length 7.4
  Bottom w0.2: R3.1 20.3,101.45 17.42,101.45 17.1,101.13 17.1,100.9 ; 20.8,102.65 20.8,101.05 ; 20.82,104.25 20.82,102.68
Board_0-/Output chain 2/OUTPUT+: length 14.7
  Top w0.2: 27.85,121.19 24.42,117.76
  Bottom w2: J5#2.1 24.41,116.47 F3#2.2
Board_0-/Output chain 3/DRAIN: length 16
  Top w0.2: v1(48.28,78.8) 46.48,77 43.65,77 39.71,73.05 v1(39.46,73.05)
  Bottom w0.2: 48.77,80.31 48.28,79.82 v1(48.28,78.8) ; v1(39.46,73.05) 39.43,73.02 39.43,72.08 ; R156#2.2 D18.1
Board_0-/Output chain 3/GATE: length 7.4
  Bottom w0.2: 49.98,89.1 49.98,88.88 49.65,88.55 46.78,88.55 R15.1 ; 46.28,87.35 46.28,88.95 ; 46.25,85.75 46.25,87.33
Board_0-/Output chain 3/OUTPUT+: length 14.7
  Top w0.2: 39.22,68.81 42.65,72.25
  Bottom w2: F4.2 42.66,73.53 J7#2.1
Board_0-/Output chain 4/DRAIN: length 15.7
  Top w0.2: v1(47.9,116.93) 47.65,116.93 42.83,112.1 40.13,112.1 v1(38.93,110.9)
  Bottom w0.2: v1(47.9,116.93) 47.93,116.95 47.93,117.9 ; v1(38.93,110.9) 38.93,110.05 38.59,109.71 ; R157#2.2 D23#2.1
Board_0-/Output chain 4/GATE: length 7.4
  Bottom w0.2: R20#2.1 40.61,101.45 37.74,101.45 37.41,101.13 37.41,100.9 ; 41.11,102.65 41.11,101.05 ; 41.14,104.25 41.14,102.68
Board_0-/Output chain 4/OUTPUT+: length 14.7
  Top w0.2: 48.17,121.19 44.74,117.76
  Bottom w2: J8.1 44.72,116.47 F5.2
Board_0-/Output chain 5/DRAIN: length 15.7
  Top w0.2: v1(68.63,78.9) 66.73,77 63.7,77 59.76,73.05 v1(59.51,73.05)
  Bottom w0.2: 59.48,72.08 59.48,73.02 v1(59.51,73.05) ; v1(68.63,78.9) 68.63,79.75 68.82,79.94 ; R158.2 72.03,81.28 D28.1
